# KiCad board SparkFun_IoT_RedBoard-RP2350_panelized.kicad_pcb (continued)
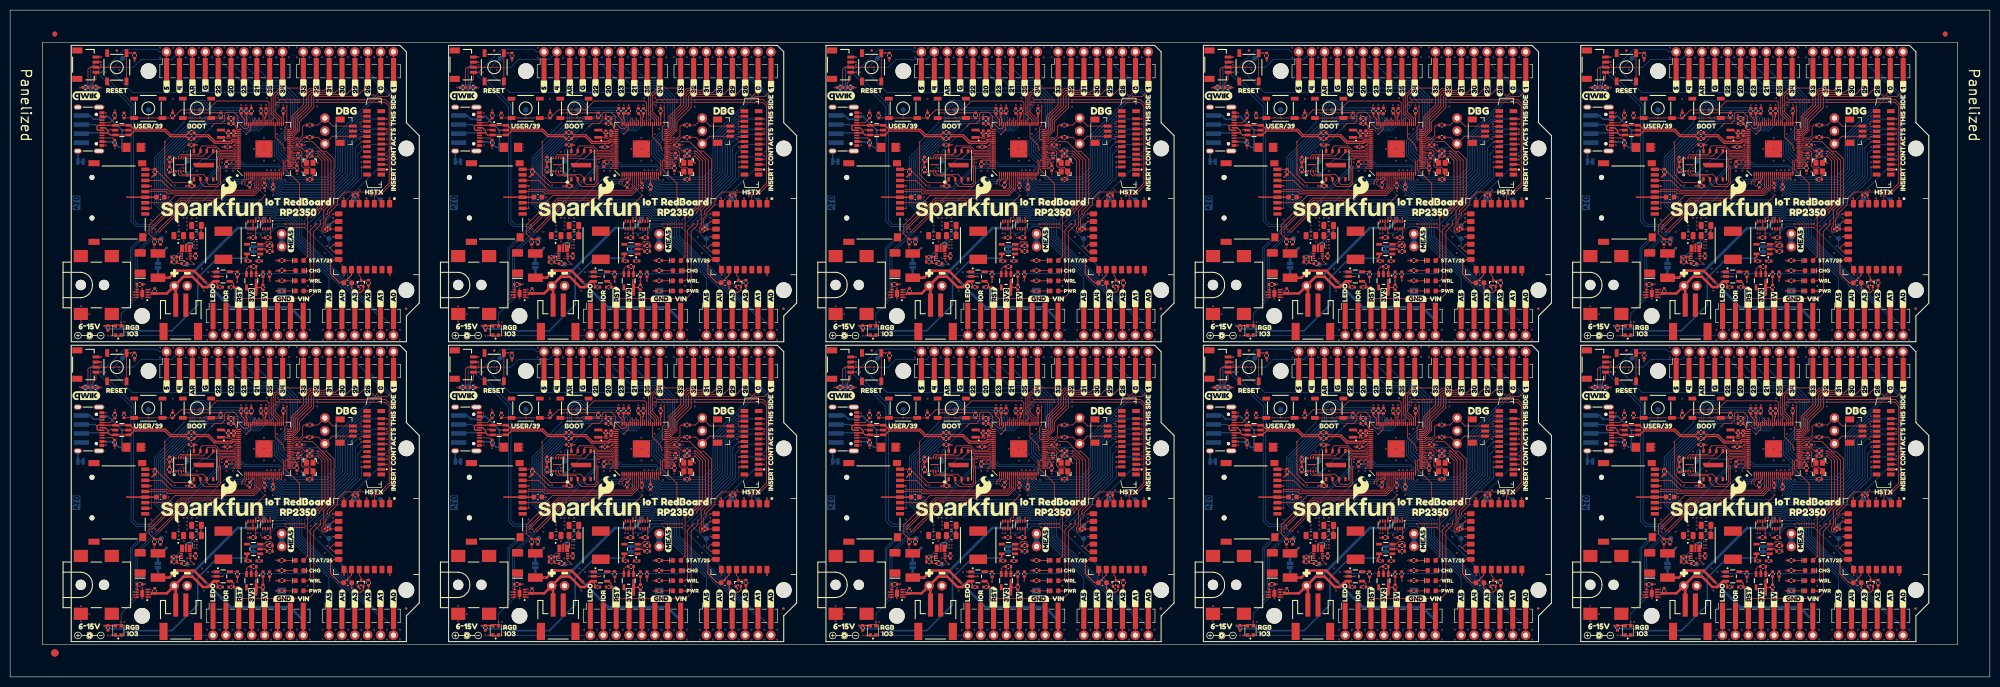
[diagram p0: board, top side]
## Routing (per net, layer and track width the routed paths; a pad name or vN(x,y) marks a point on that pad's centre or on a via; arc(x,y) is an arc through that point) (continued)
VBUS: length 15
  Top w0.2: R26#4.1 48.47,80.87 U11#6.1 ; U11#3.1 271.55,21.75 R26#3.1 ; U11#9.1 271.55,80.87 R26#9.1 ; U11#2.1 197.19,80.87 R26#8.1 ; R26.1 48.47,21.75 U11.1 ; U11#7.1 122.83,21.75 R26#2.1 ; U11#4.1 345.91,80.87 R26#10.1 ; R26#7.1 197.19,21.75 U11#8.1 ; R26#6.1 122.83,80.87 U11#5.1 ; U11#10.1 345.91,21.75 R26#5.1
VDD: length 102.2
  Top w0.2: R19#3.2 106.17,23.15 v1(106.18,23.16) 106.2,23.18 C23#10.1 ; C23#2.1 329.28,23.18 v1(329.26,23.16) 329.25,23.15 R19#9.2 ; R19#4.2 31.81,82.27 v1(31.82,82.28) 31.84,82.3 C23#9.1 ; R19#7.2 180.53,82.27 v1(180.54,82.28) 180.56,82.3 C23#6.1 ; R19.2 31.81,23.15 v1(31.82,23.16) 31.84,23.18 C23.1 ; R19#8.2 254.89,23.15 v1(254.9,23.16) 254.92,23.18 C23#3.1 ; R19#10.2 329.25,82.27 v1(329.26,82.28) 329.28,82.3 C23#4.1 ; C24#5.1 v1(112.03,87.98) ; C23#5.1 254.92,82.3 v1(254.9,82.28) 254.89,82.27 R19#6.2 ; C23#7.1 180.56,23.18 v1(180.54,23.16) 180.53,23.15 R19#2.2 ; C24#6.1 v1(186.39,28.86) ; C24#10.1 v1(335.11,28.86) ; C24#2.1 v1(186.39,87.98) ; C23#8.1 106.2,82.3 v1(106.18,82.28) 106.17,82.27 R19#5.2 ; C24.1 v1(37.67,28.86) ; C24#8.1 v1(260.75,28.86) ; C24#9.1 v1(260.75,87.98) ; C24#4.1 v1(112.03,28.86) ; C24#3.1 v1(37.67,87.98) ; C24#7.1 v1(335.11,87.98)
  Bottom w0.2: v1(112.03,87.98) 106.33,82.28 v1(106.18,82.28) ; v1(37.67,28.86) 31.97,23.16 v1(31.82,23.16) ; v1(329.26,82.28) 329.41,82.28 v1(335.11,87.98) ; v1(186.39,87.98) 180.69,82.28 v1(180.54,82.28) ; v1(37.67,87.98) 31.97,82.28 v1(31.82,82.28) ; v1(254.9,23.16) 255.05,23.16 v1(260.75,28.86) ; v1(254.9,82.28) 255.05,82.28 v1(260.75,87.98) ; v1(186.39,28.86) 180.69,23.16 v1(180.54,23.16) ; v1(112.03,28.86) 106.33,23.16 v1(106.18,23.16) ; v1(335.11,28.86) 329.41,23.16 v1(329.26,23.16)
VIN: length 438.4
  Top w0.4: J1#5.8 H1#6.VIN ; J1#6.8 H1.VIN ; J1.8 H1#9.VIN ; J1#4.8 H1#7.VIN ; J1#10.8 H1#10.VIN ; J1#2.8 H1#2.VIN ; J1#8.8 H1#8.VIN ; J1#3.8 H1#5.VIN ; J1#7.8 H1#4.VIN ; J1#9.8 H1#3.VIN
  Top w0.5: v1(187.24,77.78) v1(186.89,78.13) 184.94,80.08 181.49,80.08 180.1,78.69 F1#9.1 ; F1#6.1 254.46,19.57 255.85,20.96 259.3,20.96 v1(261.25,19.01) v1(261.6,18.66) ; v1(112.88,77.78) v1(112.53,78.13) 110.58,80.08 107.13,80.08 105.74,78.69 F1#2.1 ; v1(335.96,77.78) v1(335.61,78.13) 333.66,80.08 330.21,80.08 328.82,78.69 F1#5.1 ; v1(335.96,18.66) v1(335.61,19.01) 333.66,20.96 330.21,20.96 328.82,19.57 F1#3.1 ; v1(187.24,18.66) v1(186.89,19.01) 184.94,20.96 181.49,20.96 180.1,19.57 F1.1 ; F1#10.1 31.38,19.57 32.77,20.96 36.22,20.96 v1(38.17,19.01) v1(38.52,18.66) ; F1#8.1 31.38,78.69 32.77,80.08 36.22,80.08 v1(38.17,78.13) v1(38.52,77.78) ; v1(261.6,77.78) v1(261.25,78.13) 259.3,80.08 255.85,80.08 254.46,78.69 F1#7.1 ; F1#4.1 105.74,19.57 107.13,20.96 110.58,20.96 v1(112.53,19.01) v1(112.88,18.66)
  Bottom w0.5: v1(179.64,78.69) 178.58,78.69 177.84,79.43 JP2#7.1 ; v1(30.92,19.57) 29.86,19.57 29.12,20.31 JP2.1 ; H1#5.VIN 57.75,70.25 55.12,72.88 43.42,72.88 v1(38.17,78.13) ; JP2#3.1 29.12,79.43 29.86,78.69 v1(30.92,78.69) ; H1#6.VIN 132.11,70.25 129.48,72.88 117.78,72.88 v1(112.53,78.13) ; v1(105.28,19.57) 104.22,19.57 103.48,20.31 JP2#2.1 ; v1(261.25,78.13) 266.5,72.88 278.2,72.88 280.83,70.25 H1#8.VIN ; v1(261.25,19.01) 266.5,13.76 278.2,13.76 280.83,11.13 H1#2.VIN ; H1.VIN 206.47,11.13 203.84,13.76 192.14,13.76 v1(186.89,19.01) ; v1(254,19.57) 252.94,19.57 252.2,20.31 JP2#8.1 ; v1(112.53,19.01) 117.78,13.76 129.48,13.76 132.11,11.13 H1#4.VIN ; H1#9.VIN 355.19,70.25 352.56,72.88 340.86,72.88 v1(335.61,78.13) ; v1(328.36,19.57) 327.3,19.57 326.56,20.31 JP2#10.1 ; H1#10.VIN 57.75,11.13 55.12,13.76 43.42,13.76 v1(38.17,19.01) ; JP2#5.1 177.84,20.31 178.58,19.57 v1(179.64,19.57) ; v1(335.61,19.01) 340.86,13.76 352.56,13.76 355.19,11.13 H1#3.VIN ; v1(105.28,78.69) 104.22,78.69 103.48,79.43 JP2#6.1 ; v1(328.36,78.69) 327.3,78.69 326.56,79.43 JP2#4.1 ; v1(186.89,78.13) 192.14,72.88 203.84,72.88 206.47,70.25 H1#7.VIN ; JP2#9.1 252.2,79.43 252.94,78.69 v1(254,78.69)
/A0: length 959.2
  Top w0.15: v1(124.98,109.68) U1#5.49 ; v1(124.98,50.56) U1#4.49 ; J2#8.6 H1#8.A0 ; v1(348.06,109.68) U1#9.49 ; J2#4.6 H1#5.A0 ; J2.6 H1#10.A0 ; v1(50.62,109.68) U1#6.49 ; v1(348.06,50.56) U1#10.49 ; v1(199.34,50.56) U1#7.49 ; J2#7.6 H1#7.A0 ; J2#10.6 H1#9.A0 ; J2#2.6 H1.A0 ; v1(50.62,50.56) U1.49 ; v1(273.7,109.68) U1#2.49 ; J2#3.6 H1#2.A0 ; J2#6.6 H1#6.A0 ; J2#9.6 H1#3.A0 ; J2#5.6 H1#4.A0 ; v1(273.7,50.56) U1#8.49 ; v1(199.34,109.68) U1#3.49
  Bottom w0.15: v1(124.98,109.68) 124.98,109.23 123.38,107.63 120.88,107.63 118.93,109.58 113.18,109.58 104.83,101.23 104.83,94.28 106.28,92.83 126.55,92.83 127.2,92.18 129.68,92.18 131.83,90.03 131.83,86.9 149.89,68.84 H1#6.A0 ; H1#5.A0 75.53,68.84 57.47,86.9 57.47,90.03 55.32,92.18 52.85,92.18 52.2,92.83 31.92,92.83 30.47,94.28 30.47,101.23 38.82,109.58 44.57,109.58 46.52,107.63 49.02,107.63 50.62,109.23 v1(50.62,109.68) ; v1(50.62,50.56) 50.62,50.11 49.02,48.51 46.52,48.51 44.57,50.46 38.82,50.46 30.47,42.11 30.47,35.16 31.92,33.71 52.2,33.71 52.85,33.06 55.32,33.06 57.47,30.91 57.47,27.78 75.53,9.72 H1#10.A0 ; H1#2.A0 298.61,9.72 280.55,27.78 280.55,30.91 278.4,33.06 275.93,33.06 275.27,33.71 255,33.71 253.55,35.16 253.55,42.11 261.9,50.46 267.65,50.46 269.6,48.51 272.1,48.51 273.7,50.11 v1(273.7,50.56) ; H1#7.A0 224.25,68.84 206.19,86.9 206.19,90.03 204.04,92.18 201.56,92.18 200.91,92.83 180.64,92.83 179.19,94.28 179.19,101.23 187.54,109.58 193.29,109.58 195.24,107.63 197.74,107.63 199.34,109.23 v1(199.34,109.68) ; H1#9.A0 372.97,68.84 354.91,86.9 354.91,90.03 352.76,92.18 350.28,92.18 349.63,92.83 329.36,92.83 327.91,94.28 327.91,101.23 336.26,109.58 342.01,109.58 343.96,107.63 346.46,107.63 348.06,109.23 v1(348.06,109.68) ; H1#8.A0 298.61,68.84 280.55,86.9 280.55,90.03 278.4,92.18 275.93,92.18 275.27,92.83 255,92.83 253.55,94.28 253.55,101.23 261.9,109.58 267.65,109.58 269.6,107.63 272.1,107.63 273.7,109.23 v1(273.7,109.68) ; v1(124.98,50.56) 124.98,50.11 123.38,48.51 120.88,48.51 118.93,50.46 113.18,50.46 104.83,42.11 104.83,35.16 106.28,33.71 126.55,33.71 127.2,33.06 129.68,33.06 131.83,30.91 131.83,27.78 149.89,9.72 H1#4.A0 ; v1(199.34,50.56) 199.34,50.11 197.74,48.51 195.24,48.51 193.29,50.46 187.54,50.46 179.19,42.11 179.19,35.16 180.64,33.71 200.91,33.71 201.56,33.06 204.04,33.06 206.19,30.91 206.19,27.78 224.25,9.72 H1.A0 ; v1(348.06,50.56) 348.06,50.11 346.46,48.51 343.96,48.51 342.01,50.46 336.26,50.46 327.91,42.11 327.91,35.16 329.36,33.71 349.63,33.71 350.28,33.06 352.76,33.06 354.91,30.91 354.91,27.78 372.97,9.72 H1#3.A0
/A1: length 947.6
  Top w0.15: J2.5 H1#10.A1 ; J2#7.5 H1#7.A1 ; J2#6.5 H1#6.A1 ; J2#9.5 H1#3.A1 ; J2#2.5 H1.A1 ; J2#10.5 H1#9.A1 ; v1(123.78,109.68) U1#5.52 ; J2#3.5 H1#2.A1 ; v1(198.14,109.68) U1#3.52 ; v1(346.86,109.68) U1#9.52 ; v1(198.14,50.56) U1#7.52 ; J2#5.5 H1#4.A1 ; v1(272.5,50.56) U1#8.52 ; J2#8.5 H1#8.A1 ; J2#4.5 H1#5.A1 ; v1(123.78,50.56) U1#4.52 ; v1(272.5,109.68) U1#2.52 ; v1(49.42,109.68) U1#6.52 ; v1(49.42,50.56) U1.52 ; v1(346.86,50.56) U1#10.52
  Bottom w0.15: H1#9.A1 370.43,70.83 354.41,86.85 354.41,89.93 352.51,91.83 350.06,91.83 349.41,92.48 329.11,92.48 327.51,94.08 327.51,101.48 336.06,110.03 342.16,110.03 344.21,107.98 346.11,107.98 346.86,108.73 v1(346.86,109.68) ; v1(123.78,109.68) 123.78,108.73 123.03,107.98 121.13,107.98 119.08,110.03 112.98,110.03 104.43,101.48 104.43,94.08 106.03,92.48 126.33,92.48 126.98,91.83 129.43,91.83 131.33,89.93 131.33,86.85 147.35,70.83 H1#6.A1 ; H1#2.A1 296.07,11.71 280.05,27.73 280.05,30.81 278.15,32.71 275.7,32.71 275.05,33.36 254.75,33.36 253.15,34.96 253.15,42.36 261.7,50.91 267.8,50.91 269.85,48.86 271.75,48.86 272.5,49.61 v1(272.5,50.56) ; H1#7.A1 221.71,70.83 205.69,86.85 205.69,89.93 203.79,91.83 201.34,91.83 200.69,92.48 180.39,92.48 178.79,94.08 178.79,101.48 187.34,110.03 193.44,110.03 195.49,107.98 197.39,107.98 198.14,108.73 v1(198.14,109.68) ; v1(49.42,109.68) 49.42,108.73 48.67,107.98 46.77,107.98 44.72,110.03 38.62,110.03 30.07,101.48 30.07,94.08 31.67,92.48 51.97,92.48 52.62,91.83 55.07,91.83 56.97,89.93 56.97,86.85 72.99,70.83 H1#5.A1 ; v1(346.86,50.56) 346.86,49.61 346.11,48.86 344.21,48.86 342.16,50.91 336.06,50.91 327.51,42.36 327.51,34.96 329.11,33.36 349.41,33.36 350.06,32.71 352.51,32.71 354.41,30.81 354.41,27.73 370.43,11.71 H1#3.A1 ; v1(272.5,109.68) 272.5,108.73 271.75,107.98 269.85,107.98 267.8,110.03 261.7,110.03 253.15,101.48 253.15,94.08 254.75,92.48 275.05,92.48 275.7,91.83 278.15,91.83 280.05,89.93 280.05,86.85 296.07,70.83 H1#8.A1 ; H1#4.A1 147.35,11.71 131.33,27.73 131.33,30.81 129.43,32.71 126.98,32.71 126.33,33.36 106.03,33.36 104.43,34.96 104.43,42.36 112.98,50.91 119.08,50.91 121.13,48.86 123.03,48.86 123.78,49.61 v1(123.78,50.56) ; v1(198.14,50.56) 198.14,49.61 197.39,48.86 195.49,48.86 193.44,50.91 187.34,50.91 178.79,42.36 178.79,34.96 180.39,33.36 200.69,33.36 201.34,32.71 203.79,32.71 205.69,30.81 205.69,27.73 221.71,11.71 H1.A1 ; H1#10.A1 72.99,11.71 56.97,27.73 56.97,30.81 55.07,32.71 52.62,32.71 51.97,33.36 31.67,33.36 30.07,34.96 30.07,42.36 38.62,50.91 44.72,50.91 46.77,48.86 48.67,48.86 49.42,49.61 v1(49.42,50.56)
/A2: length 946.1
  Top w0.15: J2#3.4 H1#2.A2 ; J2#8.4 H1#8.A2 ; v1(49.02,110.08) U1#6.53 ; J2#4.4 H1#5.A2 ; v1(49.02,50.96) U1.53 ; J2.4 H1#10.A2 ; v1(123.38,50.96) U1#4.53 ; v1(346.46,50.96) U1#10.53 ; v1(197.74,50.96) U1#7.53 ; v1(346.46,110.08) U1#9.53 ; v1(272.1,110.08) U1#2.53 ; J2#2.4 H1.A2 ; J2#7.4 H1#7.A2 ; v1(272.1,50.96) U1#8.53 ; v1(123.38,110.08) U1#5.53 ; J2#6.4 H1#6.A2 ; J2#5.4 H1#4.A2 ; J2#10.4 H1#9.A2 ; v1(197.74,110.08) U1#3.53 ; J2#9.4 H1#3.A2
  Bottom w0.15: H1#5.A2 70.45,72.8 56.52,86.73 56.52,89.73 54.82,91.43 52.47,91.43 51.82,92.08 31.52,92.08 29.67,93.93 29.67,101.73 38.37,110.43 45.02,110.43 47.07,108.38 48.42,108.38 49.02,108.98 v1(49.02,110.08) ; v1(123.38,50.96) 123.38,49.86 122.78,49.26 121.43,49.26 119.38,51.31 112.73,51.31 104.03,42.61 104.03,34.81 105.88,32.96 126.18,32.96 126.83,32.31 129.18,32.31 130.88,30.61 130.88,27.61 144.81,13.68 H1#4.A2 ; H1#8.A2 293.53,72.8 279.6,86.73 279.6,89.73 277.9,91.43 275.55,91.43 274.9,92.08 254.6,92.08 252.75,93.93 252.75,101.73 261.45,110.43 268.1,110.43 270.15,108.38 271.5,108.38 272.1,108.98 v1(272.1,110.08) ; H1#2.A2 293.53,13.68 279.6,27.61 279.6,30.61 277.9,32.31 275.55,32.31 274.9,32.96 254.6,32.96 252.75,34.81 252.75,42.61 261.45,51.31 268.1,51.31 270.15,49.26 271.5,49.26 272.1,49.86 v1(272.1,50.96) ; H1#7.A2 219.17,72.8 205.24,86.73 205.24,89.73 203.54,91.43 201.19,91.43 200.54,92.08 180.24,92.08 178.39,93.93 178.39,101.73 187.09,110.43 193.74,110.43 195.79,108.38 197.14,108.38 197.74,108.98 v1(197.74,110.08) ; H1#3.A2 367.89,13.68 353.96,27.61 353.96,30.61 352.26,32.31 349.91,32.31 349.26,32.96 328.96,32.96 327.11,34.81 327.11,42.61 335.81,51.31 342.46,51.31 344.51,49.26 345.86,49.26 346.46,49.86 v1(346.46,50.96) ; H1#9.A2 367.89,72.8 353.96,86.73 353.96,89.73 352.26,91.43 349.91,91.43 349.26,92.08 328.96,92.08 327.11,93.93 327.11,101.73 335.81,110.43 342.46,110.43 344.51,108.38 345.86,108.38 346.46,108.98 v1(346.46,110.08) ; v1(49.02,50.96) 49.02,49.86 48.42,49.26 47.07,49.26 45.02,51.31 38.37,51.31 29.67,42.61 29.67,34.81 31.52,32.96 51.82,32.96 52.47,32.31 54.82,32.31 56.52,30.61 56.52,27.61 70.45,13.68 H1#10.A2 ; v1(123.38,110.08) 123.38,108.98 122.78,108.38 121.43,108.38 119.38,110.43 112.73,110.43 104.03,101.73 104.03,93.93 105.88,92.08 126.18,92.08 126.83,91.43 129.18,91.43 130.88,89.73 130.88,86.73 144.81,72.8 H1#6.A2 ; H1.A2 219.17,13.68 205.24,27.61 205.24,30.61 203.54,32.31 201.19,32.31 200.54,32.96 180.24,32.96 178.39,34.81 178.39,42.61 187.09,51.31 193.74,51.31 195.79,49.26 197.14,49.26 197.74,49.86 v1(197.74,50.96)
/A3: length 966.8
  Top w0.15: J2#10.3 H1#9.A3 ; v1(271.7,109.68) U1#2.54 ; v1(122.98,50.56) U1#4.54 ; v1(48.62,50.56) U1.54 ; v1(346.06,50.56) U1#10.54 ; J2#2.3 H1.A3 ; J2#7.3 H1#7.A3 ; v1(197.34,50.56) U1#7.54 ; J2#9.3 H1#3.A3 ; v1(48.62,109.68) U1#6.54 ; v1(271.7,50.56) U1#8.54 ; v1(197.34,109.68) U1#3.54 ; J2.3 H1#10.A3 ; J2#5.3 H1#4.A3 ; J2#8.3 H1#8.A3 ; v1(346.06,109.68) U1#9.54 ; J2#3.3 H1#2.A3 ; v1(122.98,109.68) U1#5.54 ; J2#4.3 H1#5.A3 ; J2#6.3 H1#6.A3
  Bottom w0.15: H1#2.A3 290.99,15.67 279.15,27.51 279.15,30.46 277.8,31.81 275.5,31.81 274.7,32.61 254.3,32.61 252.35,34.56 252.35,42.86 259.35,49.86 259.35,52.96 260,53.61 260.95,53.61 262.4,52.16 268.52,52.16 269.9,50.78 269.9,50.21 270.45,49.66 271.25,49.66 271.7,50.11 v1(271.7,50.56) ; v1(48.62,109.68) 48.62,109.23 48.17,108.78 47.37,108.78 46.82,109.33 46.82,109.9 45.45,111.28 39.32,111.28 37.87,112.73 36.92,112.73 36.27,112.08 36.27,108.98 29.27,101.98 29.27,93.68 31.22,91.73 51.62,91.73 52.42,90.93 54.72,90.93 56.07,89.58 56.07,86.63 67.91,74.79 H1#5.A3 ; H1#7.A3 216.63,74.79 204.79,86.63 204.79,89.58 203.44,90.93 201.14,90.93 200.34,91.73 179.94,91.73 177.99,93.68 177.99,101.98 184.99,108.98 184.99,112.08 185.64,112.73 186.59,112.73 188.04,111.28 194.16,111.28 195.54,109.9 195.54,109.33 196.09,108.78 196.89,108.78 197.34,109.23 v1(197.34,109.68) ; v1(346.06,109.68) 346.06,109.23 345.61,108.78 344.81,108.78 344.26,109.33 344.26,109.9 342.88,111.28 336.76,111.28 335.31,112.73 334.36,112.73 333.71,112.08 333.71,108.98 326.71,101.98 326.71,93.68 328.66,91.73 349.06,91.73 349.86,90.93 352.16,90.93 353.51,89.58 353.51,86.63 365.35,74.79 H1#9.A3 ; H1#10.A3 67.91,15.67 56.07,27.51 56.07,30.46 54.72,31.81 52.42,31.81 51.62,32.61 31.22,32.61 29.27,34.56 29.27,42.86 36.27,49.86 36.27,52.96 36.92,53.61 37.87,53.61 39.32,52.16 45.45,52.16 46.82,50.78 46.82,50.21 47.37,49.66 48.17,49.66 48.62,50.11 v1(48.62,50.56) ; v1(122.98,109.68) 122.98,109.23 122.53,108.78 121.73,108.78 121.18,109.33 121.18,109.9 119.8,111.28 113.68,111.28 112.23,112.73 111.28,112.73 110.63,112.08 110.63,108.98 103.63,101.98 103.63,93.68 105.58,91.73 125.98,91.73 126.78,90.93 129.08,90.93 130.43,89.58 130.43,86.63 142.27,74.79 H1#6.A3 ; v1(122.98,50.56) 122.98,50.11 122.53,49.66 121.73,49.66 121.18,50.21 121.18,50.78 119.8,52.16 113.68,52.16 112.23,53.61 111.28,53.61 110.63,52.96 110.63,49.86 103.63,42.86 103.63,34.56 105.58,32.61 125.98,32.61 126.78,31.81 129.08,31.81 130.43,30.46 130.43,27.51 142.27,15.67 H1#4.A3 ; H1.A3 216.63,15.67 204.79,27.51 204.79,30.46 203.44,31.81 201.14,31.81 200.34,32.61 179.94,32.61 177.99,34.56 177.99,42.86 184.99,49.86 184.99,52.96 185.64,53.61 186.59,53.61 188.04,52.16 194.16,52.16 195.54,50.78 195.54,50.21 196.09,49.66 196.89,49.66 197.34,50.11 v1(197.34,50.56) ; v1(271.7,109.68) 271.7,109.23 271.25,108.78 270.45,108.78 269.9,109.33 269.9,109.9 268.52,111.28 262.4,111.28 260.95,112.73 260,112.73 259.35,112.08 259.35,108.98 252.35,101.98 252.35,93.68 254.3,91.73 274.7,91.73 275.5,90.93 277.8,90.93 279.15,89.58 279.15,86.63 290.99,74.79 H1#8.A3 ; H1#3.A3 365.35,15.67 353.51,27.51 353.51,30.46 352.16,31.81 349.86,31.81 349.06,32.61 328.66,32.61 326.71,34.56 326.71,42.86 333.71,49.86 333.71,52.96 334.36,53.61 335.31,53.61 336.76,52.16 342.88,52.16 344.26,50.78 344.26,50.21 344.81,49.66 345.61,49.66 346.06,50.11 v1(346.06,50.56)
/A4: length 966.4
  Top w0.15: J2#7.2 H1#7.A4 ; v1(122.58,110.08) U1#5.55 ; v1(345.66,110.08) U1#9.55 ; J2.2 H1#10.A4 ; v1(196.94,110.08) U1#3.55 ; J2#2.2 H1.A4 ; v1(48.22,110.08) U1#6.55 ; v1(122.58,50.96) U1#4.55 ; J2#6.2 H1#6.A4 ; v1(48.22,50.96) U1.55 ; J2#9.2 H1#3.A4 ; J2#5.2 H1#4.A4 ; J2#8.2 H1#8.A4 ; v1(271.3,110.08) U1#2.55 ; v1(196.94,50.96) U1#7.55 ; v1(345.66,50.96) U1#10.55 ; J2#3.2 H1#2.A4 ; J2#10.2 H1#9.A4 ; v1(271.3,50.96) U1#8.55 ; J2#4.2 H1#5.A4
  Bottom w0.15: v1(345.66,50.96) 345.66,50.31 345.46,50.11 345.01,50.11 344.71,50.41 344.71,51.01 343.11,52.61 336.96,52.61 335.51,54.06 334.16,54.06 333.31,53.21 333.31,50.06 326.31,43.06 326.31,34.31 328.41,32.21 348.91,32.21 349.81,31.31 352.01,31.31 353.06,30.26 353.06,27.31 362.81,17.56 H1#3.A4 ; v1(271.3,110.08) 271.3,109.43 271.1,109.23 270.65,109.23 270.35,109.53 270.35,110.13 268.75,111.73 262.6,111.73 261.15,113.18 259.8,113.18 258.95,112.33 258.95,109.18 251.95,102.18 251.95,93.43 254.05,91.33 274.55,91.33 275.45,90.43 277.65,90.43 278.7,89.38 278.7,86.43 288.45,76.68 H1#8.A4 ; v1(196.94,110.08) 196.94,109.43 196.74,109.23 196.29,109.23 195.99,109.53 195.99,110.13 194.39,111.73 188.24,111.73 186.79,113.18 185.44,113.18 184.59,112.33 184.59,109.18 177.59,102.18 177.59,93.43 179.69,91.33 200.19,91.33 201.09,90.43 203.29,90.43 204.34,89.38 204.34,86.43 214.09,76.68 H1#7.A4 ; v1(271.3,50.96) 271.3,50.31 271.1,50.11 270.65,50.11 270.35,50.41 270.35,51.01 268.75,52.61 262.6,52.61 261.15,54.06 259.8,54.06 258.95,53.21 258.95,50.06 251.95,43.06 251.95,34.31 254.05,32.21 274.55,32.21 275.45,31.31 277.65,31.31 278.7,30.26 278.7,27.31 288.45,17.56 H1#2.A4 ; v1(48.22,50.96) 48.22,50.31 48.02,50.11 47.57,50.11 47.27,50.41 47.27,51.01 45.67,52.61 39.52,52.61 38.07,54.06 36.72,54.06 35.87,53.21 35.87,50.06 28.87,43.06 28.87,34.31 30.97,32.21 51.47,32.21 52.37,31.31 54.57,31.31 55.62,30.26 55.62,27.31 65.37,17.56 H1#10.A4 ; H1.A4 214.09,17.56 204.34,27.31 204.34,30.26 203.29,31.31 201.09,31.31 200.19,32.21 179.69,32.21 177.59,34.31 177.59,43.06 184.59,50.06 184.59,53.21 185.44,54.06 186.79,54.06 188.24,52.61 194.39,52.61 195.99,51.01 195.99,50.41 196.29,50.11 196.74,50.11 196.94,50.31 v1(196.94,50.96) ; v1(48.22,110.08) 48.22,109.43 48.02,109.23 47.57,109.23 47.27,109.53 47.27,110.13 45.67,111.73 39.52,111.73 38.07,113.18 36.72,113.18 35.87,112.33 35.87,109.18 28.87,102.18 28.87,93.43 30.97,91.33 51.47,91.33 52.37,90.43 54.57,90.43 55.62,89.38 55.62,86.43 65.37,76.68 H1#5.A4 ; v1(122.58,50.96) 122.58,50.31 122.38,50.11 121.93,50.11 121.63,50.41 121.63,51.01 120.03,52.61 113.88,52.61 112.43,54.06 111.08,54.06 110.23,53.21 110.23,50.06 103.23,43.06 103.23,34.31 105.33,32.21 125.83,32.21 126.73,31.31 128.93,31.31 129.98,30.26 129.98,27.31 139.73,17.56 H1#4.A4 ; H1#6.A4 139.73,76.68 129.98,86.43 129.98,89.38 128.93,90.43 126.73,90.43 125.83,91.33 105.33,91.33 103.23,93.43 103.23,102.18 110.23,109.18 110.23,112.33 111.08,113.18 112.43,113.18 113.88,111.73 120.03,111.73 121.63,110.13 121.63,109.53 121.93,109.23 122.38,109.23 122.58,109.43 v1(122.58,110.08) ; v1(345.66,110.08) 345.66,109.43 345.46,109.23 345.01,109.23 344.71,109.53 344.71,110.13 343.11,111.73 336.96,111.73 335.51,113.18 334.16,113.18 333.31,112.33 333.31,109.18 326.31,102.18 326.31,93.43 328.41,91.33 348.91,91.33 349.81,90.43 352.01,90.43 353.06,89.38 353.06,86.43 362.81,76.68 H1#9.A4
/A5: length 949.3
  Top w0.15: J2.1 H1#10.A5 ; J2#4.1 H1#5.A5 ; v1(122.18,109.68) U1#5.56 ; v1(270.9,50.56) U1#8.56 ; v1(47.82,50.56) U1.56 ; v1(196.54,50.56) U1#7.56 ; v1(47.82,109.68) U1#6.56 ; J2#5.1 H1#4.A5 ; J2#8.1 H1#8.A5 ; J2#3.1 H1#2.A5 ; J2#10.1 H1#9.A5 ; J2#2.1 H1.A5 ; v1(345.26,109.68) U1#9.56 ; J2#6.1 H1#6.A5 ; v1(196.54,109.68) U1#3.56 ; v1(270.9,109.68) U1#2.56 ; J2#9.1 H1#3.A5 ; v1(122.18,50.56) U1#4.56 ; J2#7.1 H1#7.A5 ; v1(345.26,50.56) U1#10.56
  Bottom w0.15: v1(47.82,50.56) 47.82,51.11 45.87,53.06 39.72,53.06 38.27,54.51 36.51,54.51 35.47,53.47 35.47,50.31 28.47,43.31 28.47,34.06 30.72,31.81 51.32,31.81 52.27,30.86 54.37,30.86 55.17,30.06 55.17,27.16 62.83,19.5 H1#10.A5 ; v1(196.54,50.56) 196.54,51.11 194.59,53.06 188.44,53.06 186.99,54.51 185.23,54.51 184.19,53.47 184.19,50.31 177.19,43.31 177.19,34.06 179.44,31.81 200.04,31.81 200.99,30.86 203.09,30.86 203.89,30.06 203.89,27.16 211.55,19.5 H1.A5 ; v1(122.18,109.68) 122.18,110.23 120.23,112.18 114.08,112.18 112.63,113.63 110.87,113.63 109.83,112.59 109.83,109.43 102.83,102.43 102.83,93.18 105.08,90.93 125.68,90.93 126.63,89.98 128.73,89.98 129.53,89.18 129.53,86.28 137.19,78.62 H1#6.A5 ; v1(122.18,50.56) 122.18,51.11 120.23,53.06 114.08,53.06 112.63,54.51 110.87,54.51 109.83,53.47 109.83,50.31 102.83,43.31 102.83,34.06 105.08,31.81 125.68,31.81 126.63,30.86 128.73,30.86 129.53,30.06 129.53,27.16 137.19,19.5 H1#4.A5 ; v1(270.9,109.68) 270.9,110.23 268.95,112.18 262.8,112.18 261.35,113.63 259.59,113.63 258.55,112.59 258.55,109.43 251.55,102.43 251.55,93.18 253.8,90.93 274.4,90.93 275.35,89.98 277.45,89.98 278.25,89.18 278.25,86.28 285.91,78.62 H1#8.A5 ; v1(270.9,50.56) 270.9,51.11 268.95,53.06 262.8,53.06 261.35,54.51 259.59,54.51 258.55,53.47 258.55,50.31 251.55,43.31 251.55,34.06 253.8,31.81 274.4,31.81 275.35,30.86 277.45,30.86 278.25,30.06 278.25,27.16 285.91,19.5 H1#2.A5 ; H1#9.A5 360.27,78.62 352.61,86.28 352.61,89.18 351.81,89.98 349.71,89.98 348.76,90.93 328.16,90.93 325.91,93.18 325.91,102.43 332.91,109.43 332.91,112.59 333.95,113.63 335.71,113.63 337.16,112.18 343.31,112.18 345.26,110.23 v1(345.26,109.68) ; H1#5.A5 62.83,78.62 55.17,86.28 55.17,89.18 54.37,89.98 52.27,89.98 51.32,90.93 30.72,90.93 28.47,93.18 28.47,102.43 35.47,109.43 35.47,112.59 36.51,113.63 38.27,113.63 39.72,112.18 45.87,112.18 47.82,110.23 v1(47.82,109.68) ; H1#7.A5 211.55,78.62 203.89,86.28 203.89,89.18 203.09,89.98 200.99,89.98 200.04,90.93 179.44,90.93 177.19,93.18 177.19,102.43 184.19,109.43 184.19,112.59 185.23,113.63 186.99,113.63 188.44,112.18 194.59,112.18 196.54,110.23 v1(196.54,109.68) ; H1#3.A5 360.27,19.5 352.61,27.16 352.61,30.06 351.81,30.86 349.71,30.86 348.76,31.81 328.16,31.81 325.91,34.06 325.91,43.31 332.91,50.31 332.91,53.47 333.95,54.51 335.71,54.51 337.16,53.06 343.31,53.06 345.26,51.11 v1(345.26,50.56)
/Core/BATT_PWR: length 507.2
  Top w0.15: v1(60.92,91.48) 60.92,91.68 62.62,93.38 62.62,101.83 60.82,103.63 v1(60.57,103.63) ; Q1#9.1 292.05,17.51 v1(292.05,17.26) ; v1(366.41,76.38) 366.41,76.63 Q1#7.1 ; R21#2.1 199.99,86.59 U7#2.8 ; v1(217.69,76.38) 217.69,76.63 Q1#2.1 ; v1(204.39,43.66) 204.09,43.96 U1#7.28 ; v1(355.46,29.46) v1(351.86,29.46) ; v1(58.02,88.58) v1(54.42,88.58) ; Q1#8.1 366.41,17.51 v1(366.41,17.26) ; v1(206.74,88.58) v1(203.14,88.58) ; U7#5.8 125.63,86.59 R21#6.1 ; Q1.1 68.97,17.51 v1(68.97,17.26) ; U7#9.8 274.35,86.59 R21#8.1 ; U1#3.28 204.09,103.08 v1(204.39,102.78) ; v1(284,91.48) 284,91.68 285.7,93.38 285.7,101.83 283.9,103.63 v1(283.65,103.63) ; U1#8.28 278.45,43.96 v1(278.75,43.66) ; R21#3.1 274.35,27.47 U7#3.8 ; v1(278.75,102.78) 278.45,103.08 U1#2.28 ; R21#10.1 348.71,86.59 U7#4.8 ; v1(134.93,44.51) 135.18,44.51 136.98,42.71 136.98,34.26 135.28,32.56 v1(135.28,32.36) ; v1(353.11,102.78) 352.81,103.08 U1#9.28 ; U1.28 55.37,43.96 v1(55.67,43.66) ; v1(358.36,91.48) 358.36,91.68 360.06,93.38 360.06,101.83 358.26,103.63 v1(358.01,103.63) ; Q1#6.1 217.69,17.51 v1(217.69,17.26) ; v1(135.28,91.48) 135.28,91.68 136.98,93.38 136.98,101.83 135.18,103.63 v1(134.93,103.63) ; U1#10.28 352.81,43.96 v1(353.11,43.66) ; v1(355.46,88.58) v1(351.86,88.58) ; U7#10.8 348.71,27.47 R21#9.1 ; v1(55.67,102.78) 55.37,103.08 U1#6.28 ; Q1#3.1 143.33,17.51 v1(143.33,17.26) ; v1(58.02,29.46) v1(54.42,29.46) ; v1(281.1,88.58) v1(277.5,88.58) ; v1(358.36,32.36) 358.36,32.56 360.06,34.26 360.06,42.71 358.26,44.51 v1(358.01,44.51) ; v1(132.38,88.58) v1(128.78,88.58) ; U7.8 51.27,27.47 R21.1 ; v1(209.64,91.48) 209.64,91.68 211.34,93.38 211.34,101.83 209.54,103.63 v1(209.29,103.63) ; v1(60.57,44.51) 60.82,44.51 62.62,42.71 62.62,34.26 60.92,32.56 v1(60.92,32.36) ; U7#8.8 199.99,27.47 R21#7.1 ; v1(283.65,44.51) 283.9,44.51 285.7,42.71 285.7,34.26 284,32.56 v1(284,32.36) ; R21#4.1 51.27,86.59 U7#6.8 ; v1(292.05,76.38) 292.05,76.63 Q1#10.1 ; v1(209.29,44.51) 209.54,44.51 211.34,42.71 211.34,34.26 209.64,32.56 v1(209.64,32.36) ; v1(130.03,102.78) 129.73,103.08 U1#5.28 ; Q1#5.1 143.33,76.63 v1(143.33,76.38) ; R21#5.1 125.63,27.47 U7#7.8 ; v1(281.1,29.46) v1(277.5,29.46) ; v1(206.74,29.46) v1(203.14,29.46) ; v1(132.38,29.46) v1(128.78,29.46) ; v1(130.03,43.66) 129.73,43.96 U1#4.28 ; v1(68.97,76.38) 68.97,76.63 Q1#4.1
  Bottom w0.15: v1(274.35,28.41) 275.65,29.71 277.25,29.71 v1(277.5,29.46) ; v1(278.75,102.78) 280.45,102.78 281.3,103.63 v1(283.65,103.63) ; v1(358.01,44.51) 355.66,44.51 354.81,43.66 v1(353.11,43.66) ; v1(60.92,91.48) v1(58.02,88.58) 66.47,80.13 66.47,78.88 v1(68.97,76.38) ; v1(353.11,102.78) 354.81,102.78 355.66,103.63 v1(358.01,103.63) ; v1(209.29,44.51) 206.94,44.51 206.09,43.66 v1(204.39,43.66) ; v1(277.5,88.58) 277.25,88.83 275.65,88.83 v1(274.35,87.53) ; v1(134.93,44.51) 132.58,44.51 131.73,43.66 v1(130.03,43.66) ; v1(348.71,28.41) 350.01,29.71 351.61,29.71 v1(351.86,29.46) ; v1(134.93,103.63) 132.58,103.63 131.73,102.78 v1(130.03,102.78) ; v1(217.69,17.26) 215.19,19.76 215.19,21.01 v1(206.74,29.46) v1(209.64,32.36) ; v1(209.64,91.48) v1(206.74,88.58) 215.19,80.13 215.19,78.88 v1(217.69,76.38) ; v1(51.27,28.41) 52.57,29.71 54.17,29.71 v1(54.42,29.46) ; v1(203.14,29.46) 202.89,29.71 201.29,29.71 v1(199.99,28.41) ; v1(55.67,43.66) 57.37,43.66 58.22,44.51 v1(60.57,44.51) ; v1(199.99,87.53) 201.29,88.83 202.89,88.83 v1(203.14,88.58) ; v1(128.78,88.58) 128.53,88.83 126.93,88.83 v1(125.63,87.53) ; v1(143.33,17.26) 140.83,19.76 140.83,21.01 v1(132.38,29.46) v1(135.28,32.36) ; v1(60.92,32.36) v1(58.02,29.46) 66.47,21.01 66.47,19.76 v1(68.97,17.26) ; v1(135.28,91.48) v1(132.38,88.58) 140.83,80.13 140.83,78.88 v1(143.33,76.38) ; v1(351.86,88.58) 351.61,88.83 350.01,88.83 v1(348.71,87.53) ; v1(284,32.36) v1(281.1,29.46) 289.55,21.01 289.55,19.76 v1(292.05,17.26) ; v1(209.29,103.63) 206.94,103.63 206.09,102.78 v1(204.39,102.78) ; v1(358.36,91.48) v1(355.46,88.58) 363.91,80.13 363.91,78.88 v1(366.41,76.38) ; v1(284,91.48) v1(281.1,88.58) 289.55,80.13 289.55,78.88 v1(292.05,76.38) ; v1(125.63,28.41) 126.93,29.71 128.53,29.71 v1(128.78,29.46) ; v1(51.27,87.53) 52.57,88.83 54.17,88.83 v1(54.42,88.58) ; v1(60.57,103.63) 58.22,103.63 57.37,102.78 v1(55.67,102.78) ; v1(278.75,43.66) 280.45,43.66 281.3,44.51 v1(283.65,44.51) ; v1(358.36,32.36) v1(355.46,29.46) 363.91,21.01 363.91,19.76 v1(366.41,17.26)